# KiCad board first_keyboard.kicad_pcb (continued)
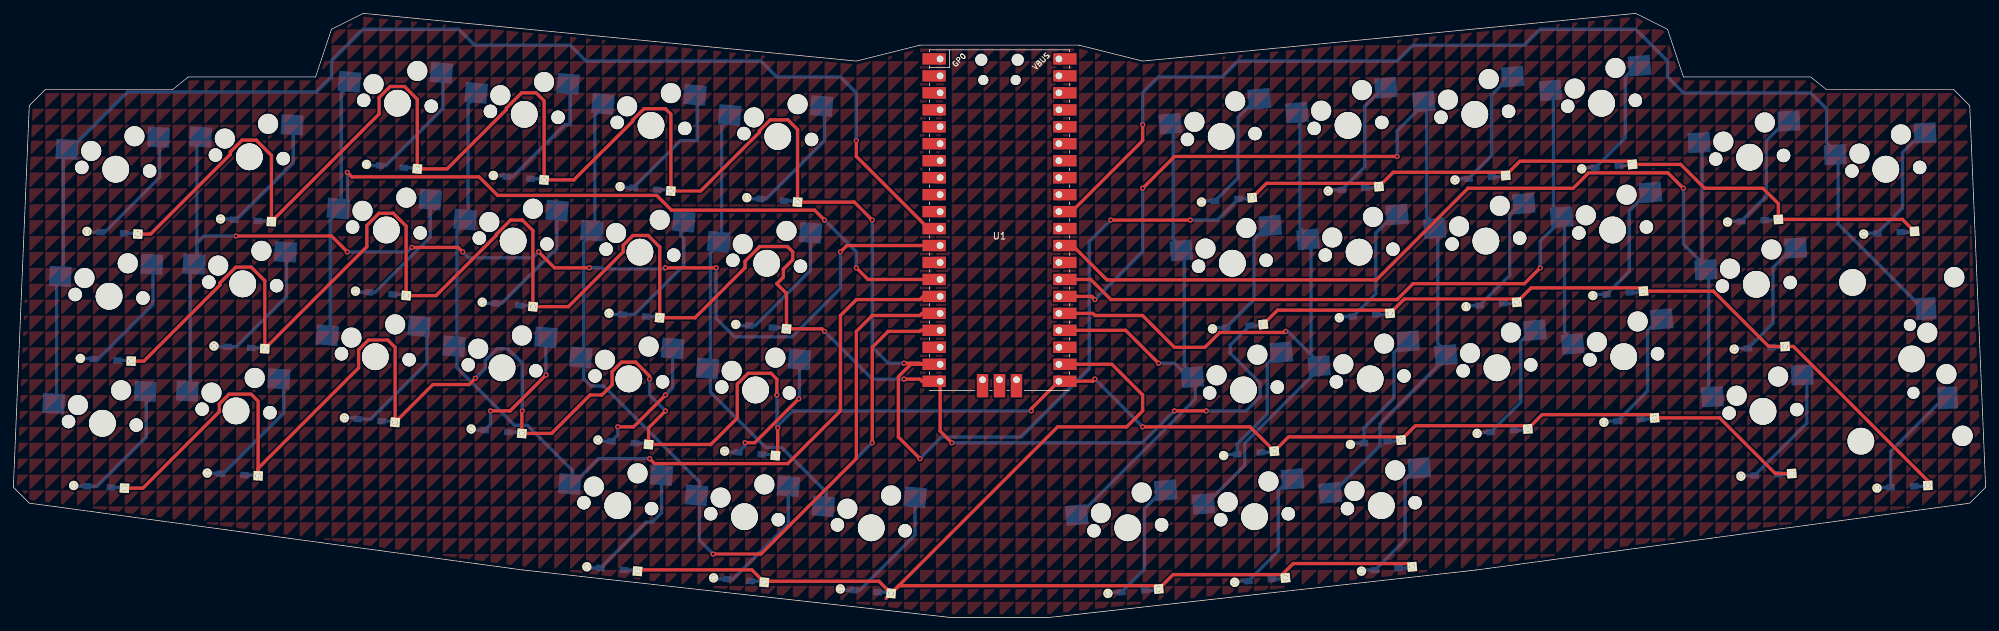
[diagram p0: board, top side]
## Copper pours and planes (outline as drawn; the poured copper is in the pictures) (continued)
(no net) on Top, Bottom: 150.02,150.02 150.02,147.64 152.4,150.02
(no net) on Top, Bottom: 269.08,138.11 269.08,135.73 271.46,138.11
(no net) on Top, Bottom: 147.64,14.29 147.64,11.91 150.02,14.29
(no net) on Top, Bottom: 138.11,116.68 138.11,114.3 140.49,116.68
(no net) on Top, Bottom: 259.56,-7.14 259.56,-9.53 261.94,-7.14
(no net) on Top, Bottom: 271.46,114.3 271.46,111.92 273.84,114.3
(no net) on Top, Bottom: 211.93,88.11 211.93,85.72 214.31,88.11
(no net) on Top, Bottom: 197.64,54.77 197.64,52.39 200.02,54.77
(no net) on Top, Bottom: 185.74,80.96 185.74,78.58 188.12,80.96
(no net) on Top, Bottom: 230.98,133.35 230.98,130.97 233.36,133.35
(no net) on Top, Bottom: 297.66,61.91 297.66,59.53 300.04,61.91
(no net) on Top, Bottom: 26.19,123.83 26.19,121.44 28.58,123.83
(no net) on Top, Bottom: 188.12,-21.43 188.12,-23.81 190.5,-21.43
(no net) on Top, Bottom: 266.7,142.88 266.7,140.49 269.08,142.88
(no net) on Top, Bottom: 95.25,-7.14 95.25,-9.53 97.63,-7.14
(no net) on Top, Bottom: 230.98,-2.38 230.98,-4.76 233.36,-2.38
(no net) on Top, Bottom: 21.43,40.48 21.43,38.1 23.81,40.48
(no net) on Top, Bottom: 238.12,109.54 238.12,107.16 240.51,109.54
(no net) on Top, Bottom: 71.44,26.19 71.44,23.81 73.82,26.19
(no net) on Top, Bottom: 54.77,90.49 54.77,88.11 57.15,90.49
(no net) on Top, Bottom: 302.42,128.59 302.42,126.21 304.8,128.59
(no net) on Top, Bottom: 288.13,59.53 288.13,57.15 290.51,59.53
(no net) on Top, Bottom: 261.94,21.43 261.94,19.05 264.32,21.43
(no net) on Top, Bottom: 202.41,114.3 202.41,111.92 204.79,114.3
(no net) on Top, Bottom: 183.36,78.58 183.36,76.2 185.74,78.58
(no net) on Top, Bottom: 266.7,133.35 266.7,130.97 269.08,133.35
(no net) on Top, Bottom: 102.39,147.64 102.39,145.26 104.77,147.64
(no net) on Top, Bottom: 116.68,130.97 116.68,128.59 119.06,130.97
(no net) on Top, Bottom: 119.06,42.86 119.06,40.48 121.44,42.86
(no net) on Top, Bottom: 64.29,-26.19 64.29,-28.57 66.67,-26.19
(no net) on Top, Bottom: 11.91,19.05 11.91,16.67 14.29,19.05
(no net) on Top, Bottom: 57.15,147.64 57.15,145.26 59.53,147.64
(no net) on Top, Bottom: 197.64,95.25 197.64,92.87 200.02,95.25
(no net) on Top, Bottom: 61.91,78.58 61.91,76.2 64.29,78.58
(no net) on Top, Bottom: 195.26,97.63 195.26,95.25 197.64,97.63
(no net) on Top, Bottom: 273.84,69.06 273.84,66.68 276.22,69.06
(no net) on Top, Bottom: 109.54,121.44 109.54,119.06 111.92,121.44
(no net) on Top, Bottom: 169.07,26.19 169.07,23.81 171.45,26.19
(no net) on Top, Bottom: 295.27,114.3 295.27,111.92 297.66,114.3
(no net) on Top, Bottom: 290.51,28.57 290.51,26.19 292.89,28.57
(no net) on Top, Bottom: 145.26,-28.57 145.26,-30.96 147.64,-28.57
(no net) on Top, Bottom: 138.11,28.57 138.11,26.19 140.49,28.57
(no net) on Top, Bottom: 261.94,23.81 261.94,21.43 264.32,23.81
(no net) on Top, Bottom: 107.16,-2.38 107.16,-4.76 109.54,-2.38
(no net) on Top, Bottom: 76.2,83.34 76.2,80.96 78.58,83.34
(no net) on Top, Bottom: 114.3,42.86 114.3,40.48 116.68,42.86
(no net) on Top, Bottom: 130.97,-9.53 130.97,-11.91 133.35,-9.53
(no net) on Top, Bottom: 257.18,133.35 257.18,130.97 259.56,133.35
(no net) on Top, Bottom: 183.36,80.96 183.36,78.58 185.74,80.96
(no net) on Top, Bottom: 290.51,126.21 290.51,123.83 292.89,126.21
(no net) on Top, Bottom: 161.93,107.16 161.93,104.78 164.31,107.16
(no net) on Top, Bottom: 178.59,19.05 178.59,16.67 180.98,19.05
(no net) on Top, Bottom: 116.68,97.63 116.68,95.25 119.06,97.63
(no net) on Top, Bottom: 121.44,47.62 121.44,45.24 123.83,47.62
(no net) on Top, Bottom: 123.83,-28.57 123.83,-30.96 126.21,-28.57
(no net) on Top, Bottom: 200.02,150.02 200.02,147.64 202.41,150.02
(no net) on Top, Bottom: 121.44,-14.29 121.44,-16.67 123.83,-14.29
(no net) on Top, Bottom: 235.74,133.35 235.74,130.97 238.12,133.35
(no net) on Top, Bottom: 78.58,11.91 78.58,9.53 80.96,11.91
(no net) on Top, Bottom: 152.4,85.72 152.4,83.34 154.78,85.72
(no net) on Top, Bottom: 69.06,121.44 69.06,119.06 71.44,121.44
(no net) on Top, Bottom: 235.74,116.68 235.74,114.3 238.12,116.68
(no net) on Top, Bottom: 47.62,121.44 47.62,119.06 50.01,121.44
(no net) on Top, Bottom: 297.66,-9.53 297.66,-11.91 300.04,-9.53
(no net) on Top, Bottom: 192.88,50.01 192.88,47.62 195.26,50.01
(no net) on Top, Bottom: 240.51,69.06 240.51,66.68 242.89,69.06
(no net) on Top, Bottom: 64.29,121.44 64.29,119.06 66.67,121.44
(no net) on Top, Bottom: 164.31,14.29 164.31,11.91 166.69,14.29
(no net) on Top, Bottom: 152.4,104.78 152.4,102.39 154.78,104.78
(no net) on Top, Bottom: 259.56,92.87 259.56,90.49 261.94,92.87
(no net) on Top, Bottom: 147.64,40.48 147.64,38.1 150.02,40.48
(no net) on Top, Bottom: 19.05,33.34 19.05,30.96 21.43,33.34
(no net) on Top, Bottom: 216.69,123.83 216.69,121.44 219.07,123.83
(no net) on Top, Bottom: 197.64,19.05 197.64,16.67 200.02,19.05
(no net) on Top, Bottom: 302.42,-14.29 302.42,-16.67 304.8,-14.29
(no net) on Top, Bottom: 111.92,42.86 111.92,40.48 114.3,42.86
(no net) on Top, Bottom: 214.31,7.14 214.31,4.76 216.69,7.14
(no net) on Top, Bottom: 152.4,-38.1 152.4,-40.48 154.78,-38.1
(no net) on Top, Bottom: 150.02,16.67 150.02,14.29 152.4,16.67
(no net) on Top, Bottom: 45.24,30.96 45.24,28.57 47.62,30.96
(no net) on Top, Bottom: 150.02,121.44 150.02,119.06 152.4,121.44
(no net) on Top, Bottom: 2.38,76.2 2.38,73.82 4.76,76.2
(no net) on Top, Bottom: 121.44,-11.91 121.44,-14.29 123.83,-11.91
(no net) on Top, Bottom: 76.2,-23.81 76.2,-26.19 78.58,-23.81
(no net) on Top, Bottom: 192.88,45.24 192.88,42.86 195.26,45.24
(no net) on Top, Bottom: 95.25,92.87 95.25,90.49 97.63,92.87
(no net) on Top, Bottom: 221.46,133.35 221.46,130.97 223.84,133.35
(no net) on Top, Bottom: 223.84,147.64 223.84,145.26 226.22,147.64
(no net) on Top, Bottom: 19.05,19.05 19.05,16.67 21.43,19.05
(no net) on Top, Bottom: 128.59,71.44 128.59,69.06 130.97,71.44
(no net) on Top, Bottom: 221.46,109.54 221.46,107.16 223.84,109.54
(no net) on Top, Bottom: 169.07,-35.72 169.07,-38.1 171.45,-35.72
(no net) on Top, Bottom: 269.08,23.81 269.08,21.43 271.46,23.81
(no net) on Top, Bottom: 271.46,83.34 271.46,80.96 273.84,83.34
(no net) on Top, Bottom: 111.92,80.96 111.92,78.58 114.3,80.96
(no net) on Top, Bottom: 111.92,26.19 111.92,23.81 114.3,26.19
(no net) on Top, Bottom: 28.58,119.06 28.58,116.68 30.96,119.06
(no net) on Top, Bottom: 104.77,40.48 104.77,38.1 107.16,40.48
(no net) on Top, Bottom: 145.26,135.73 145.26,133.35 147.64,135.73
(no net) on Top, Bottom: 0,100.01 0,97.63 2.38,100.01
(no net) on Top, Bottom: 9.53,30.96 9.53,28.57 11.91,30.96
(no net) on Top, Bottom: 171.45,126.21 171.45,123.83 173.83,126.21
(no net) on Top, Bottom: 142.88,66.68 142.88,64.29 145.26,66.68
(no net) on Top, Bottom: 59.53,-33.34 59.53,-35.72 61.91,-33.34
(no net) on Top, Bottom: 80.96,135.73 80.96,133.35 83.34,135.73
(no net) on Top, Bottom: 121.44,-28.57 121.44,-30.96 123.83,-28.57
(no net) on Top, Bottom: 242.89,-4.76 242.89,-7.14 245.27,-4.76
(no net) on Top, Bottom: 228.6,33.34 228.6,30.96 230.98,33.34
(no net) on Top, Bottom: 207.17,126.21 207.17,123.83 209.55,126.21
(no net) on Top, Bottom: 250.03,83.34 250.03,80.96 252.41,83.34
(no net) on Top, Bottom: 119.06,85.72 119.06,83.34 121.44,85.72
(no net) on Top, Bottom: 119.06,130.97 119.06,128.59 121.44,130.97
(no net) on Top, Bottom: 240.51,140.49 240.51,138.11 242.89,140.49
(no net) on Top, Bottom: 130.97,54.77 130.97,52.39 133.35,54.77
(no net) on Top, Bottom: 23.81,54.77 23.81,52.39 26.19,54.77
(no net) on Top, Bottom: 280.99,61.91 280.99,59.53 283.37,61.91
(no net) on Top, Bottom: 254.79,28.57 254.79,26.19 257.18,28.57
(no net) on Top, Bottom: 271.46,16.67 271.46,14.29 273.84,16.67
(no net) on Top, Bottom: 261.94,69.06 261.94,66.68 264.32,69.06
(no net) on Top, Bottom: 121.44,42.86 121.44,40.48 123.83,42.86
(no net) on Top, Bottom: 230.98,114.3 230.98,111.92 233.36,114.3
(no net) on Top, Bottom: 95.25,47.62 95.25,45.24 97.63,47.62
(no net) on Top, Bottom: 166.69,114.3 166.69,111.92 169.07,114.3
(no net) on Top, Bottom: 30.96,-16.67 30.96,-19.05 33.34,-16.67
(no net) on Top, Bottom: 69.06,114.3 69.06,111.92 71.44,114.3
(no net) on Top, Bottom: 197.64,102.39 197.64,100.01 200.02,102.39
(no net) on Top, Bottom: 35.72,88.11 35.72,85.72 38.1,88.11
(no net) on Top, Bottom: 111.92,9.53 111.92,7.14 114.3,9.53
(no net) on Top, Bottom: 161.93,133.35 161.93,130.97 164.31,133.35
(no net) on Top, Bottom: 242.89,21.43 242.89,19.05 245.27,21.43
(no net) on Top, Bottom: 45.24,33.34 45.24,30.96 47.62,33.34
(no net) on Top, Bottom: 128.59,121.44 128.59,119.06 130.97,121.44
(no net) on Top, Bottom: 145.26,-4.76 145.26,-7.14 147.64,-4.76
(no net) on Top, Bottom: 230.98,88.11 230.98,85.72 233.36,88.11
(no net) on Top, Bottom: 302.42,7.14 302.42,4.76 304.8,7.14
(no net) on Top, Bottom: 52.39,-19.05 52.39,-21.43 54.77,-19.05
(no net) on Top, Bottom: 219.07,135.73 219.07,133.35 221.46,135.73
(no net) on Top, Bottom: 97.63,123.83 97.63,121.44 100.01,123.83
(no net) on Top, Bottom: 52.39,114.3 52.39,111.92 54.77,114.3
(no net) on Top, Bottom: 66.67,57.15 66.67,54.77 69.06,57.15
(no net) on Top, Bottom: 273.84,114.3 273.84,111.92 276.22,114.3
(no net) on Top, Bottom: 135.73,64.29 135.73,61.91 138.11,64.29
(no net) on Top, Bottom: 302.42,-11.91 302.42,-14.29 304.8,-11.91
(no net) on Top, Bottom: 230.98,126.21 230.98,123.83 233.36,126.21
(no net) on Top, Bottom: 269.08,116.68 269.08,114.3 271.46,116.68
(no net) on Top, Bottom: 33.34,123.83 33.34,121.44 35.72,123.83
(no net) on Top, Bottom: 121.44,-7.14 121.44,-9.53 123.83,-7.14
(no net) on Top, Bottom: 159.54,126.21 159.54,123.83 161.93,126.21
(no net) on Top, Bottom: 214.31,-38.1 214.31,-40.48 216.69,-38.1
(no net) on Top, Bottom: 23.81,-11.91 23.81,-14.29 26.19,-11.91
(no net) on Top, Bottom: 45.24,59.53 45.24,57.15 47.62,59.53
(no net) on Top, Bottom: 247.65,-26.19 247.65,-28.57 250.03,-26.19
(no net) on Top, Bottom: 11.91,95.25 11.91,92.87 14.29,95.25
(no net) on Top, Bottom: 4.76,16.67 4.76,14.29 7.14,16.67
(no net) on Top, Bottom: 266.7,147.64 266.7,145.26 269.08,147.64
(no net) on Top, Bottom: 102.39,52.39 102.39,50.01 104.77,52.39
(no net) on Top, Bottom: 242.89,92.87 242.89,90.49 245.27,92.87
(no net) on Top, Bottom: 138.11,21.43 138.11,19.05 140.49,21.43
(no net) on Top, Bottom: 59.53,150.02 59.53,147.64 61.91,150.02
(no net) on Top, Bottom: 64.29,150.02 64.29,147.64 66.67,150.02
(no net) on Top, Bottom: 211.93,66.68 211.93,64.29 214.31,66.68
(no net) on Top, Bottom: 57.15,23.81 57.15,21.43 59.53,23.81
(no net) on Top, Bottom: 171.45,83.34 171.45,80.96 173.83,83.34
(no net) on Top, Bottom: 2.38,80.96 2.38,78.58 4.76,80.96
(no net) on Top, Bottom: 288.13,2.38 288.13,0 290.51,2.38
(no net) on Top, Bottom: 42.86,83.34 42.86,80.96 45.24,83.34
(no net) on Top, Bottom: 102.39,40.48 102.39,38.1 104.77,40.48
(no net) on Top, Bottom: 230.98,71.44 230.98,69.06 233.36,71.44
(no net) on Top, Bottom: 142.88,126.21 142.88,123.83 145.26,126.21
(no net) on Top, Bottom: 235.74,2.38 235.74,0 238.12,2.38
(no net) on Top, Bottom: 9.53,50.01 9.53,47.62 11.91,50.01
(no net) on Top, Bottom: 192.88,102.39 192.88,100.01 195.26,102.39
(no net) on Top, Bottom: 164.31,47.62 164.31,45.24 166.69,47.62
(no net) on Top, Bottom: 285.75,-4.76 285.75,-7.14 288.13,-4.76
(no net) on Top, Bottom: 11.91,61.91 11.91,59.53 14.29,61.91
(no net) on Top, Bottom: 85.73,14.29 85.73,11.91 88.11,14.29
(no net) on Top, Bottom: 278.61,114.3 278.61,111.92 280.99,114.3
(no net) on Top, Bottom: 200.02,142.88 200.02,140.49 202.41,142.88
(no net) on Top, Bottom: 214.31,30.96 214.31,28.57 216.69,30.96
(no net) on Top, Bottom: 126.21,116.68 126.21,114.3 128.59,116.68
(no net) on Top, Bottom: 276.22,128.59 276.22,126.21 278.61,128.59
(no net) on Top, Bottom: 195.26,-38.1 195.26,-40.48 197.64,-38.1
(no net) on Top, Bottom: 28.58,0 28.58,-2.38 30.96,0
(no net) on Top, Bottom: 209.55,83.34 209.55,80.96 211.93,83.34
(no net) on Top, Bottom: 185.74,47.62 185.74,45.24 188.12,47.62
(no net) on Top, Bottom: 295.27,90.49 295.27,88.11 297.66,90.49
(no net) on Top, Bottom: 211.93,52.39 211.93,50.01 214.31,52.39
(no net) on Top, Bottom: 26.19,61.91 26.19,59.53 28.58,61.91
(no net) on Top, Bottom: 271.46,150.02 271.46,147.64 273.84,150.02
(no net) on Top, Bottom: 147.64,83.34 147.64,80.96 150.02,83.34
(no net) on Top, Bottom: 95.25,-38.1 95.25,-40.48 97.63,-38.1
(no net) on Top, Bottom: 9.53,52.39 9.53,50.01 11.91,52.39
(no net) on Top, Bottom: 204.79,97.63 204.79,95.25 207.17,97.63
(no net) on Top, Bottom: 109.54,0 109.54,-2.38 111.92,0
(no net) on Top, Bottom: 302.42,9.53 302.42,7.14 304.8,9.53
(no net) on Top, Bottom: 26.19,57.15 26.19,54.77 28.58,57.15
(no net) on Top, Bottom: 119.06,83.34 119.06,80.96 121.44,83.34
(no net) on Top, Bottom: 140.49,123.83 140.49,121.44 142.88,123.83
(no net) on Top, Bottom: 235.74,14.29 235.74,11.91 238.12,14.29
(no net) on Top, Bottom: 209.55,-7.14 209.55,-9.53 211.93,-7.14
(no net) on Top, Bottom: 164.31,16.67 164.31,14.29 166.69,16.67
(no net) on Top, Bottom: 114.3,130.97 114.3,128.59 116.68,130.97
(no net) on Top, Bottom: 273.84,52.39 273.84,50.01 276.22,52.39
(no net) on Top, Bottom: 238.12,0 238.12,-2.38 240.51,0
(no net) on Top, Bottom: 223.84,145.26 223.84,142.88 226.22,145.26
(no net) on Top, Bottom: 245.27,-16.67 245.27,-19.05 247.65,-16.67
(no net) on Top, Bottom: 128.59,80.96 128.59,78.58 130.97,80.96
(no net) on Top, Bottom: 83.34,71.44 83.34,69.06 85.73,71.44
(no net) on Top, Bottom: 7.14,45.24 7.14,42.86 9.53,45.24
(no net) on Top, Bottom: 150.02,130.97 150.02,128.59 152.4,130.97
(no net) on Top, Bottom: 288.13,-26.19 288.13,-28.57 290.51,-26.19
(no net) on Top, Bottom: 169.07,16.67 169.07,14.29 171.45,16.67
(no net) on Top, Bottom: 266.7,135.73 266.7,133.35 269.08,135.73
(no net) on Top, Bottom: 66.67,9.53 66.67,7.14 69.06,9.53
(no net) on Top, Bottom: 254.79,85.72 254.79,83.34 257.18,85.72
(no net) on Top, Bottom: 19.05,73.82 19.05,71.44 21.43,73.82
(no net) on Top, Bottom: 111.92,-16.67 111.92,-19.05 114.3,-16.67
(no net) on Top, Bottom: 250.03,45.24 250.03,42.86 252.41,45.24
(no net) on Top, Bottom: 123.83,47.62 123.83,45.24 126.21,47.62
(no net) on Top, Bottom: 197.64,-4.76 197.64,-7.14 200.02,-4.76
(no net) on Top, Bottom: 73.82,145.26 73.82,142.88 76.2,145.26
(no net) on Top, Bottom: 273.84,-11.91 273.84,-14.29 276.22,-11.91
(no net) on Top, Bottom: 288.13,57.15 288.13,54.77 290.51,57.15
(no net) on Top, Bottom: 7.14,9.53 7.14,7.14 9.53,9.53
(no net) on Top, Bottom: 178.59,4.76 178.59,2.38 180.98,4.76
(no net) on Top, Bottom: 278.61,2.38 278.61,0 280.99,2.38
(no net) on Top, Bottom: 35.72,35.72 35.72,33.34 38.1,35.72
(no net) on Top, Bottom: 83.34,104.78 83.34,102.39 85.73,104.78
(no net) on Top, Bottom: 240.51,47.62 240.51,45.24 242.89,47.62
(no net) on Top, Bottom: 204.79,16.67 204.79,14.29 207.17,16.67
(no net) on Top, Bottom: 0,-23.81 0,-26.19 2.38,-23.81
(no net) on Top, Bottom: 107.16,4.76 107.16,2.38 109.54,4.76
(no net) on Top, Bottom: 57.15,-14.29 57.15,-16.67 59.53,-14.29
(no net) on Top, Bottom: 292.89,16.67 292.89,14.29 295.27,16.67
(no net) on Top, Bottom: 290.51,104.78 290.51,102.39 292.89,104.78
(no net) on Top, Bottom: 90.49,57.15 90.49,54.77 92.87,57.15
(no net) on Top, Bottom: 228.6,116.68 228.6,114.3 230.98,116.68
(no net) on Top, Bottom: 142.88,-11.91 142.88,-14.29 145.26,-11.91
(no net) on Top, Bottom: 200.02,-11.91 200.02,-14.29 202.41,-11.91
(no net) on Top, Bottom: 269.08,57.15 269.08,54.77 271.46,57.15
(no net) on Top, Bottom: 264.32,-35.72 264.32,-38.1 266.7,-35.72
(no net) on Top, Bottom: 135.73,-11.91 135.73,-14.29 138.11,-11.91
(no net) on Top, Bottom: 264.32,47.62 264.32,45.24 266.7,47.62
(no net) on Top, Bottom: 173.83,135.73 173.83,133.35 176.21,135.73
(no net) on Top, Bottom: 116.68,-23.81 116.68,-26.19 119.06,-23.81
(no net) on Top, Bottom: 52.39,21.43 52.39,19.05 54.77,21.43
(no net) on Top, Bottom: 116.68,45.24 116.68,42.86 119.06,45.24
(no net) on Top, Bottom: 152.4,123.83 152.4,121.44 154.78,123.83
(no net) on Top, Bottom: 140.49,109.54 140.49,107.16 142.88,109.54
(no net) on Top, Bottom: 150.02,128.59 150.02,126.21 152.4,128.59
(no net) on Top, Bottom: 185.74,95.25 185.74,92.87 188.12,95.25
(no net) on Top, Bottom: 245.27,-4.76 245.27,-7.14 247.65,-4.76
(no net) on Top, Bottom: 19.05,57.15 19.05,54.77 21.43,57.15
(no net) on Top, Bottom: 52.39,-35.72 52.39,-38.1 54.77,-35.72
(no net) on Top, Bottom: 185.74,-9.53 185.74,-11.91 188.12,-9.53
(no net) on Top, Bottom: 123.83,130.97 123.83,128.59 126.21,130.97
(no net) on Top, Bottom: 42.86,2.38 42.86,0 45.24,2.38
(no net) on Top, Bottom: 80.96,57.15 80.96,54.77 83.34,57.15
(no net) on Top, Bottom: 54.77,52.39 54.77,50.01 57.15,52.39
(no net) on Top, Bottom: 233.36,121.44 233.36,119.06 235.74,121.44
(no net) on Top, Bottom: 78.58,73.82 78.58,71.44 80.96,73.82
(no net) on Top, Bottom: 245.27,2.38 245.27,0 247.65,2.38
(no net) on Top, Bottom: 90.49,7.14 90.49,4.76 92.87,7.14
(no net) on Top, Bottom: 297.66,150.02 297.66,147.64 300.04,150.02
(no net) on Top, Bottom: 71.44,78.58 71.44,76.2 73.82,78.58
(no net) on Top, Bottom: 157.16,26.19 157.16,23.81 159.54,26.19
(no net) on Top, Bottom: 61.91,128.59 61.91,126.21 64.29,128.59
(no net) on Top, Bottom: 111.92,30.96 111.92,28.57 114.3,30.96
(no net) on Top, Bottom: 0,-7.14 0,-9.53 2.38,-7.14
(no net) on Top, Bottom: 28.58,47.62 28.58,45.24 30.96,47.62
(no net) on Top, Bottom: 228.6,21.43 228.6,19.05 230.98,21.43
(no net) on Top, Bottom: 138.11,-33.34 138.11,-35.72 140.49,-33.34
(no net) on Top, Bottom: 271.46,30.96 271.46,28.57 273.84,30.96
(no net) on Top, Bottom: 290.51,-23.81 290.51,-26.19 292.89,-23.81
(no net) on Top, Bottom: 135.73,11.91 135.73,9.53 138.11,11.91
(no net) on Top, Bottom: 52.39,38.1 52.39,35.72 54.77,38.1
(no net) on Top, Bottom: 78.58,-4.76 78.58,-7.14 80.96,-4.76
(no net) on Top, Bottom: 297.66,95.25 297.66,92.87 300.04,95.25
(no net) on Top, Bottom: 69.06,104.78 69.06,102.39 71.44,104.78
(no net) on Top, Bottom: 238.12,45.24 238.12,42.86 240.51,45.24
(no net) on Top, Bottom: 73.82,107.16 73.82,104.78 76.2,107.16
(no net) on Top, Bottom: 83.34,83.34 83.34,80.96 85.73,83.34
(no net) on Top, Bottom: 226.22,-23.81 226.22,-26.19 228.6,-23.81
(no net) on Top, Bottom: 290.51,14.29 290.51,11.91 292.89,14.29
(no net) on Top, Bottom: 211.93,150.02 211.93,147.64 214.31,150.02
(no net) on Top, Bottom: 171.45,90.49 171.45,88.11 173.83,90.49
(no net) on Top, Bottom: 219.07,69.06 219.07,66.68 221.46,69.06
(no net) on Top, Bottom: 61.91,26.19 61.91,23.81 64.29,26.19
(no net) on Top, Bottom: 228.6,54.77 228.6,52.39 230.98,54.77
(no net) on Top, Bottom: 171.45,142.88 171.45,140.49 173.83,142.88
(no net) on Top, Bottom: 45.24,26.19 45.24,23.81 47.62,26.19
(no net) on Top, Bottom: 138.11,76.2 138.11,73.82 140.49,76.2
(no net) on Top, Bottom: 166.69,-9.53 166.69,-11.91 169.07,-9.53
(no net) on Top, Bottom: 138.11,-7.14 138.11,-9.53 140.49,-7.14
(no net) on Top, Bottom: 26.19,76.2 26.19,73.82 28.58,76.2
(no net) on Top, Bottom: 257.18,145.26 257.18,142.88 259.56,145.26
(no net) on Top, Bottom: 269.08,21.43 269.08,19.05 271.46,21.43
(no net) on Top, Bottom: 288.13,61.91 288.13,59.53 290.51,61.91
(no net) on Top, Bottom: 219.07,128.59 219.07,126.21 221.46,128.59
(no net) on Top, Bottom: 78.58,4.76 78.58,2.38 80.96,4.76
(no net) on Top, Bottom: 261.94,126.21 261.94,123.83 264.32,126.21
(no net) on Top, Bottom: 26.19,95.25 26.19,92.87 28.58,95.25
(no net) on Top, Bottom: 145.26,19.05 145.26,16.67 147.64,19.05
(no net) on Top, Bottom: 169.07,142.88 169.07,140.49 171.45,142.88
(no net) on Top, Bottom: 223.84,78.58 223.84,76.2 226.22,78.58
(no net) on Top, Bottom: 221.46,-4.76 221.46,-7.14 223.84,-4.76
(no net) on Top, Bottom: 252.41,30.96 252.41,28.57 254.79,30.96
(no net) on Top, Bottom: 64.29,123.83 64.29,121.44 66.67,123.83
(no net) on Top, Bottom: 302.42,-28.57 302.42,-30.96 304.8,-28.57
(no net) on Top, Bottom: 61.91,85.72 61.91,83.34 64.29,85.72
(no net) on Top, Bottom: 145.26,130.97 145.26,128.59 147.64,130.97
(no net) on Top, Bottom: 114.3,142.88 114.3,140.49 116.68,142.88
(no net) on Top, Bottom: 35.72,123.83 35.72,121.44 38.1,123.83
(no net) on Top, Bottom: 73.82,-9.53 73.82,-11.91 76.2,-9.53
(no net) on Top, Bottom: 285.75,73.82 285.75,71.44 288.13,73.82
(no net) on Top, Bottom: 230.98,21.43 230.98,19.05 233.36,21.43
(no net) on Top, Bottom: 183.36,2.38 183.36,0 185.74,2.38
(no net) on Top, Bottom: 266.7,76.2 266.7,73.82 269.08,76.2
(no net) on Top, Bottom: 304.8,147.64 304.8,145.26 307.18,147.64
(no net) on Top, Bottom: 209.55,121.44 209.55,119.06 211.93,121.44
(no net) on Top, Bottom: 45.24,35.72 45.24,33.34 47.62,35.72
(no net) on Top, Bottom: 23.81,30.96 23.81,28.57 26.19,30.96
(no net) on Top, Bottom: 276.22,90.49 276.22,88.11 278.61,90.49
(no net) on Top, Bottom: 71.44,30.96 71.44,28.57 73.82,30.96
(no net) on Top, Bottom: 57.15,135.73 57.15,133.35 59.53,135.73
(no net) on Top, Bottom: 28.58,-21.43 28.58,-23.81 30.96,-21.43
(no net) on Top, Bottom: 76.2,16.67 76.2,14.29 78.58,16.67
(no net) on Top, Bottom: 269.08,135.73 269.08,133.35 271.46,135.73
(no net) on Top, Bottom: 185.74,23.81 185.74,21.43 188.12,23.81
(no net) on Top, Bottom: 264.32,40.48 264.32,38.1 266.7,40.48
(no net) on Top, Bottom: 78.58,107.16 78.58,104.78 80.96,107.16
(no net) on Top, Bottom: 128.59,57.15 128.59,54.77 130.97,57.15
(no net) on Top, Bottom: 280.99,-33.34 280.99,-35.72 283.37,-33.34
(no net) on Top, Bottom: 19.05,54.77 19.05,52.39 21.43,54.77
(no net) on Top, Bottom: 90.49,-9.53 90.49,-11.91 92.87,-9.53
(no net) on Top, Bottom: 292.89,47.62 292.89,45.24 295.27,47.62
(no net) on Top, Bottom: 226.22,-26.19 226.22,-28.57 228.6,-26.19
(no net) on Top, Bottom: 283.37,28.57 283.37,26.19 285.75,28.57
(no net) on Top, Bottom: 159.54,138.11 159.54,135.73 161.93,138.11
(no net) on Top, Bottom: 176.21,21.43 176.21,19.05 178.59,21.43
(no net) on Top, Bottom: 150.02,111.92 150.02,109.54 152.4,111.92
(no net) on Top, Bottom: 123.83,150.02 123.83,147.64 126.21,150.02
(no net) on Top, Bottom: 69.06,100.01 69.06,97.63 71.44,100.01
(no net) on Top, Bottom: 147.64,104.78 147.64,102.39 150.02,104.78
(no net) on Top, Bottom: 185.74,42.86 185.74,40.48 188.12,42.86
(no net) on Top, Bottom: 57.15,100.01 57.15,97.63 59.53,100.01
(no net) on Top, Bottom: 52.39,40.48 52.39,38.1 54.77,40.48
(no net) on Top, Bottom: 209.55,73.82 209.55,71.44 211.93,73.82
(no net) on Top, Bottom: 35.72,-11.91 35.72,-14.29 38.1,-11.91
(no net) on Top, Bottom: 26.19,42.86 26.19,40.48 28.58,42.86
(no net) on Top, Bottom: 202.41,-16.67 202.41,-19.05 204.79,-16.67
(no net) on Top, Bottom: 104.77,135.73 104.77,133.35 107.16,135.73
(no net) on Top, Bottom: 50.01,-19.05 50.01,-21.43 52.39,-19.05
(no net) on Top, Bottom: 297.66,45.24 297.66,42.86 300.04,45.24
(no net) on Top, Bottom: 16.67,66.68 16.67,64.29 19.05,66.68
(no net) on Top, Bottom: 169.07,83.34 169.07,80.96 171.45,83.34
(no net) on Top, Bottom: 185.74,-7.14 185.74,-9.53 188.12,-7.14
(no net) on Top, Bottom: 69.06,147.64 69.06,145.26 71.44,147.64
(no net) on Top, Bottom: 11.91,100.01 11.91,97.63 14.29,100.01
(no net) on Top, Bottom: 178.59,54.77 178.59,52.39 180.98,54.77
(no net) on Top, Bottom: 16.67,4.76 16.67,2.38 19.05,4.76
(no net) on Top, Bottom: 154.78,35.72 154.78,33.34 157.16,35.72
(no net) on Top, Bottom: 157.16,7.14 157.16,4.76 159.54,7.14
(no net) on Top, Bottom: 176.21,-7.14 176.21,-9.53 178.59,-7.14
(no net) on Top, Bottom: 104.77,142.88 104.77,140.49 107.16,142.88
(no net) on Top, Bottom: 261.94,147.64 261.94,145.26 264.32,147.64
(no net) on Top, Bottom: 147.64,-9.53 147.64,-11.91 150.02,-9.53
(no net) on Top, Bottom: 235.74,95.25 235.74,92.87 238.12,95.25
(no net) on Top, Bottom: 33.34,104.78 33.34,102.39 35.72,104.78
(no net) on Top, Bottom: 204.79,138.11 204.79,135.73 207.17,138.11
(no net) on Top, Bottom: 138.11,16.67 138.11,14.29 140.49,16.67
(no net) on Top, Bottom: 259.56,-28.57 259.56,-30.96 261.94,-28.57
(no net) on Top, Bottom: 304.8,107.16 304.8,104.78 307.18,107.16
(no net) on Top, Bottom: 283.37,64.29 283.37,61.91 285.75,64.29
(no net) on Top, Bottom: 116.68,4.76 116.68,2.38 119.06,4.76
(no net) on Top, Bottom: 95.25,-35.72 95.25,-38.1 97.63,-35.72
(no net) on Top, Bottom: 23.81,121.44 23.81,119.06 26.19,121.44
(no net) on Top, Bottom: 147.64,59.53 147.64,57.15 150.02,59.53
(no net) on Top, Bottom: 97.63,61.91 97.63,59.53 100.01,61.91
(no net) on Top, Bottom: 242.89,121.44 242.89,119.06 245.27,121.44
(no net) on Top, Bottom: 150.02,-2.38 150.02,-4.76 152.4,-2.38
(no net) on Top, Bottom: 2.38,9.53 2.38,7.14 4.76,9.53
(no net) on Top, Bottom: 11.91,59.53 11.91,57.15 14.29,59.53
(no net) on Top, Bottom: 138.11,54.77 138.11,52.39 140.49,54.77
(no net) on Top, Bottom: 33.34,14.29 33.34,11.91 35.72,14.29
(no net) on Top, Bottom: 214.31,78.58 214.31,76.2 216.69,78.58
(no net) on Top, Bottom: 226.22,40.48 226.22,38.1 228.6,40.48
(no net) on Top, Bottom: 73.82,42.86 73.82,40.48 76.2,42.86
(no net) on Top, Bottom: 71.44,-19.05 71.44,-21.43 73.82,-19.05
(no net) on Top, Bottom: 235.74,-21.43 235.74,-23.81 238.12,-21.43
(no net) on Top, Bottom: 219.07,66.68 219.07,64.29 221.46,66.68